# Altium PCB Module Board - OLD.PcbDoc (part 2 of 4) (continued)
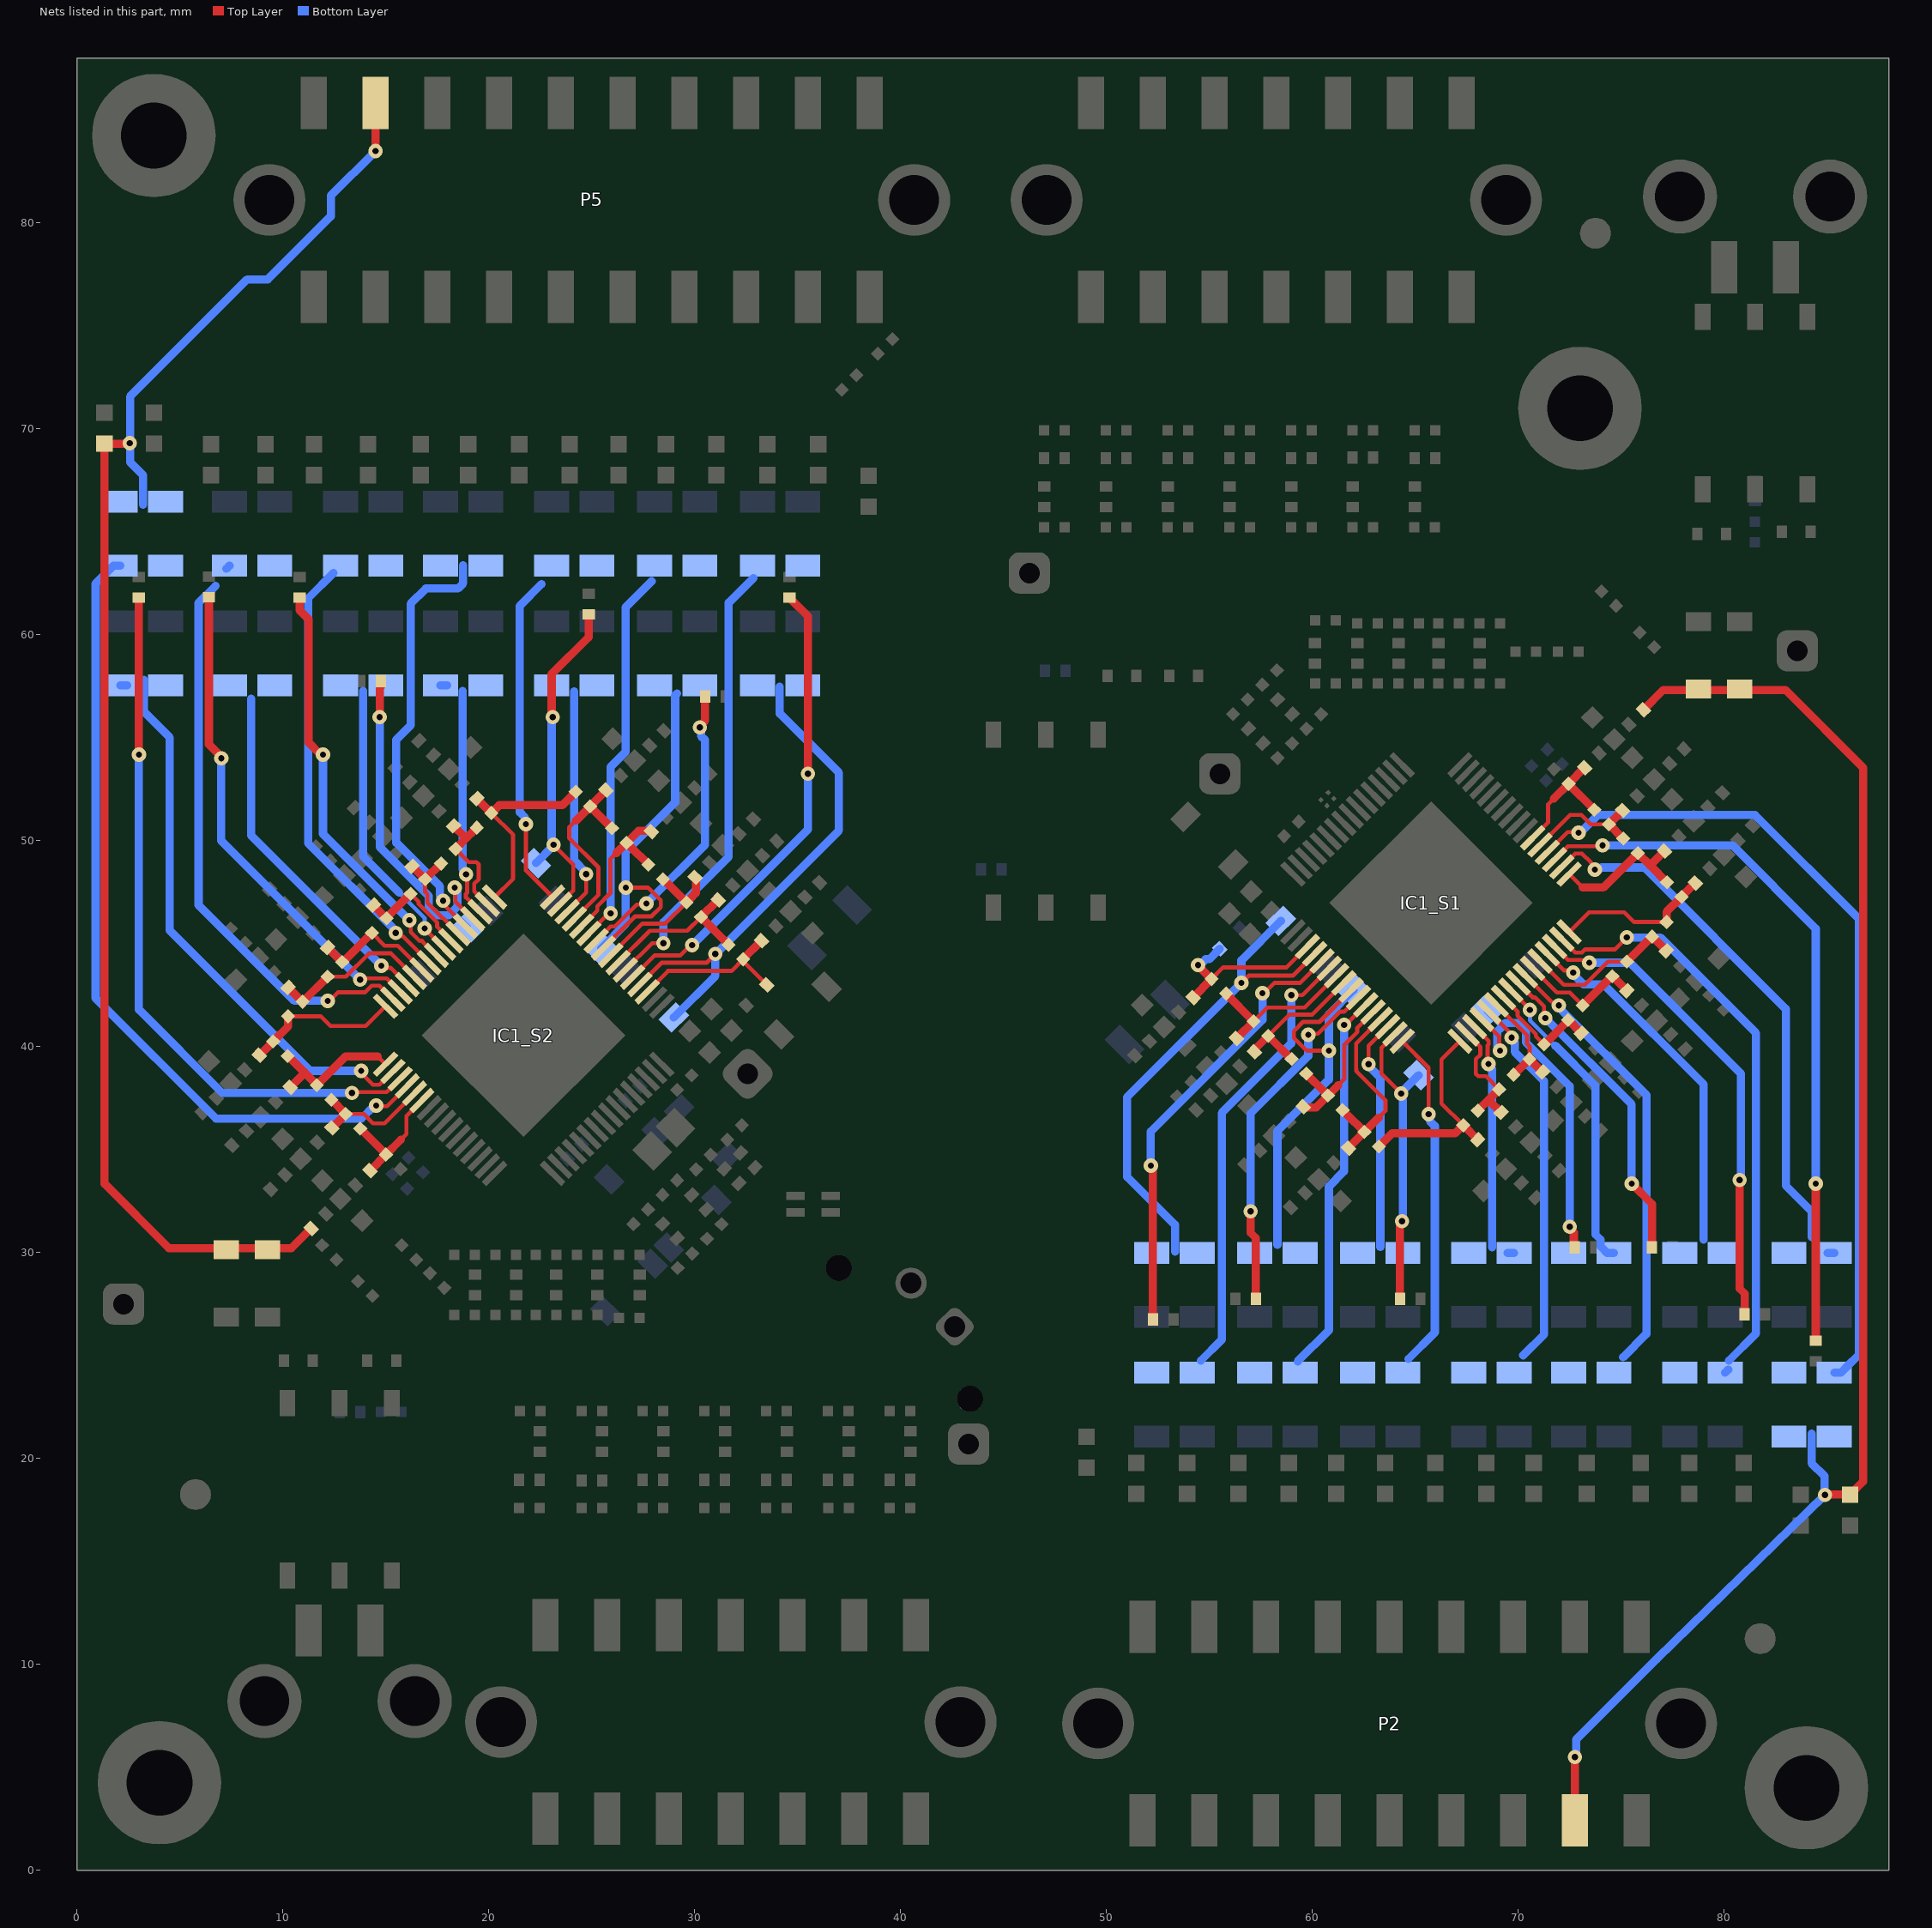
[diagram p4: the nets of this part, all layers, seen from the top]
## Part data (continued)
P7: library part CMP-1502-00440-2, Color=Black, Contact Resistance=10mΩ, Current Rating=5A, Insulation Resistance=1GΩ, Max Operating Temperature=105°C, Min Operating Temperature=-40°C, Operating Supply Voltage=250V, Connector Type="Male Pin, Socket", Contact Material=Copper, Contact Plating=Tin, Fastening Type=Ramp, Gender=Male, Height=10.1mm, Lead Pitch=3mm, Length=9.65mm, Mount="Through Hole", NexarPartId=23024676, Number of Contacts=2, Number of Pins=2, Number of Positions=2, Number of Rows=1, Orientation=Vertical, Pitch=3mm, REACH SVHC=Unknown, RoHS=Compliant, Termination="Kinked Pin", Voltage Rating=250V, Width=9.65mm
R1_S1 R1_S2 R2_S1 R2_S2 R3_S1 R3_S2 R5_S1 R5_S2 R6_S1 R6_S2 R7_S1 R7_S2 R8_S1 R8_S2 R9_S1 R9_S2 R11_S1 R11_S2 R13_S1 R13_S2 R14_S1 R14_S2 R15_S1 R15_S2 R16_S1 R16_S2 R17_S1 R17_S2 R19_S1 R19_S2 R20_S1 R20_S2 R22_S1 R22_S2 R23_S1 R23_S2 R24_S1 R24_S2 R25_S1 R25_S2 R27_S1 R27_S2 R28_S1 R28_S2 R30_S1 R30_S2 R31_S1 R31_S2 R32_S1 R32_S2 R33_S1 R33_S2 R35_S1 R35_S2 R36_S1 R36_S2 R37_S1 R37_S2 R38_S1 R38_S2 R40_S1 R40_S2 R41_S1 R41_S2 R42_S1 R42_S2 R44_S1 R44_S2 R46_S1 R46_S2 R47_S1 R47_S2 R48_S1 R48_S2 R49_S1 R49_S2 R50_S1 R50_S2 R52_S1 R52_S2 R53_S1 R53_S2 R55_S1 R55_S2 R56_S1 R56_S2 R57_S1 R57_S2 R58_S1 R58_S2 R59_S1 R59_S2 R60_S1 R60_S2 R62_S1 R62_S2 R63_S1 R63_S2 R64_S1 R64_S2 R65_S1 R65_S2 R66_S1 R66_S2 R67_S1 R67_S2 R68_S1 R68_S2 R69_S1 R69_S2 R70_S1 R70_S2 R71_S1 R71_S2 R72_S1 R72_S2 R74 R75 R76 R77 R78 R79 R94 R95: library part CMP-009-00204-16, "GTT Standard 0402 Resistor", Case/Package=0402, Power=62.5mW, Tolerance=1%, Voltage Rating=50V, Design Item ID="RES 0402", Mounting Technology=SMD, Source=Passives.SchLib
R4_S1 R4_S2 R10_S1 R10_S2 R12_S1 R12_S2 R18_S1 R18_S2 R21_S1 R21_S2 R26_S1 R26_S2 R29_S1 R29_S2 R34_S1 R34_S2 R39_S1 R39_S2 R43_S1 R43_S2 R45_S1 R45_S2 R51_S1 R51_S2 R54_S1 R54_S2 R61_S1 R61_S2 R73_S1 R73_S2 R80_S1 R80_S2 R81_S1 R81_S2 R82_S1 R82_S2 R83_S1 R83_S2 R84_S1 R84_S2 R85_S1 R85_S2 R86_S1 R86_S2 R87_S1 R87_S2 R88_S1 R88_S2 R89_S1 R89_S2 R90_S1 R90_S2 R91_S1 R91_S2 R92_S1 R92_S2 R93_S1 R93_S2: library part CMP-009-00208-2, "GTT Standard 1206 Resistor", Case/Package=1206, Power=250mW, Tolerance=1%, Voltage Rating=50V, Mounting Technology=SMD
T1 T2 T3: library part CMP-16309-000039-1, "XFMR CMC MODULE AECQ BATT MNGT", Inductance Primary=150uH, Isolation Voltage=4300VDC, Manufacturer=Pulse, Package=0, Temperature="-40°C to +125°C", Temperature Range High=+125°C, Temperature Range Low=-40°C, Automotive=Yes, Automotive Grade="Grade 1", Category=Trans, ComponentLink2Description=Datasheet, ComponentLink2URL=https://productfinder.pulseeng.com/product/HM2103NL, Device Class L1="Passive Components", Device Class L2=Transformers, Device Class L3=unset, Digikey Description="XFMR CMC MODULE AECQ BATT MNGT", Height=5.72mm, Insertion Loss=0.25dB, Lead Free=Yes, Manufacturer Part Number=HM2103NL, Obsolete Part=false, Octopart=https://octopart.com/hm2103nl-pulse-87646222, Return Loss=20dB, RoHS=TRUE, Standoff Height=0.13mm, Turns Ratio=1:1
TP1_S1 TP1_S2 TP2_S1 TP2_S2 TP3_S1 TP3_S2: library part CMP-00030-00001-6, Design Item ID=GTT_ProbeerPunt, Source=GTT_MainComponentLibrary.SchLib

## Free pads (board coordinates)
  round 6 hole 3.2: 5(3.725,84.25) 5(4,4.25) 5(73,71) 5(84,4)

## Via types
v1: diameter 0.7, hole 0.3, Top Layer to Bottom Layer, 603 vias

## Nets (pads, with @x,y where several pads share a name; then routed paths per layer and width w, separated by ;. In a path a pad name is that pad's centre, name@x,y a point inside that pad or via, vN(x,y) a via of type N, cw(c..) or ccw(c..) an arc to the next point about the centre after c; other vN are vias at no path point)
CB_1_S1: IC1_S1.36 R91_S1.2 R92_S1.2 | length 40.7
  Top Layer w0.2: IC1_S1.36@71.411,49.439 72.393,50.421 72.897,50.421 v1(72.926,50.392)
  Bottom Layer w0.4: v1(72.926,50.392) 73.007,50.392 73.865,51.25 81.5,51.25 86.55,46.2 86.55,25.041 86,24.491 85.675,24.166 R92_S1.2@85.35,24.166
CB_1_S2: IC1_S2.36 R91_S2.2 R92_S2.2 | length 39.9
  Top Layer w0.2: v1(14.524,37.133) 14.553,37.104 15.057,37.104 IC1_S2.36@16.039,38.086
  Bottom Layer w0.4: R92_S2.2@2.1,63.359 1.775,63.359 1.45,63.034 0.9,62.484 0.9,42.35 6.75,36.5 13.81,36.5 14.443,37.133 v1(14.524,37.133)
CB_2:1_C_S1: IC1_S1.35 R56_S1.1 | length 34.6
  Top Layer w0.2: IC1_S1.35@71.764,49.085 72.409,49.73 74.054,49.73 v1(74.1,49.775)
  Top Layer w0.4: R56_S1.1@84.45,25.725 v1(84.45,33.35)
  Bottom Layer w0.4: v1(74.1,49.775) 80.4,49.775 84.45,45.725 v1(84.45,33.35)
CB_2:1_C_S2: IC1_S2.35 R56_S2.1 | length 34.6
  Top Layer w0.2: v1(13.35,37.75) 13.396,37.796 15.041,37.796 IC1_S2.35@15.686,38.44
  Top Layer w0.4: v1(3,54.175) R56_S2.1@3,61.8
  Bottom Layer w0.4: v1(3,54.175) 3,41.8 7.05,37.75 v1(13.35,37.75)
CB_2_S1: IC1_S1.34 R89_S1.2 R90_S1.2 | length 26.4
  Top Layer w0.2: IC1_S1.34@72.118,48.731 72.766,49.38 73.088,49.38 73.537,48.931 73.537,48.923 73.725,48.735 v1(73.725,48.6)
  Bottom Layer w0.4: v1(73.725,48.6) 73.782,48.657 73.995,48.657 74.037,48.7 76.132,48.7 83,41.832 83,33.25 84.25,32 84.25,30.752 ; R90_S1.2@85.025,29.977 R90_S1.2@85.35,29.977
CB_2_S2: IC1_S2.34 R89_S2.2 R90_S2.2 | length 27.3
  Top Layer w0.2: v1(13.8,38.825) 13.8,38.707 14.362,38.146 14.684,38.146 IC1_S2.34@15.332,38.794
  Bottom Layer w0.4: R90_S2.2@2.1,57.548 R90_S2.2@2.425,57.548 ; 3.25,57.814 3.25,56.255 4.5,55.005 4.5,45.643 11.318,38.825 v1(13.8,38.825)
CB_3_S1: IC1_S1.31 R87_S1.2 R88_S1.2 | length 28.6
  Top Layer w0.2: IC1_S1.31@72.118,45.213 72.769,44.562 73.09,44.562 73.253,44.725 74.7,44.725 v1(75.275,45.3)
  Bottom Layer w0.4: v1(75.275,45.3) 76.9,45.3 81.55,40.65 81.55,26.069 80.231,24.75 ; R88_S1.2@80.05,24.166 R88_S1.2@80.2,24.316
CB_3_S2: IC1_S2.31 R87_S2.2 R88_S2.2 | length 28
  Top Layer w0.2: v1(12.175,42.225) 12.261,42.225 12.677,42.642 13.99,42.642 14.312,42.963 14.681,42.963 IC1_S2.31@15.332,42.312
  Bottom Layer w0.4: 6.728,62.378 5.9,61.55 5.9,46.875 10.55,42.225 v1(12.175,42.225) ; R88_S2.2@7.25,63.209 R88_S2.2@7.4,63.359
CB_4:3_C_S1: IC1_S1.30 R48_S1.1 | length 23.4
  Top Layer w0.2: IC1_S1.30@71.764,44.859 72.411,44.212 73.084,44.212 73.126,44.17 73.355,44.17 v1(73.451,44.074)
  Top Layer w0.4: v1(80.751,33.525) 80.751,28.249 81,28 R48_S1.1@81,27
  Bottom Layer w0.4: v1(73.451,44.074) 75.426,44.074 80.808,38.692 80.808,33.582 v1(80.751,33.525)
CB_4:3_C_S2: IC1_S2.30 R48_S2.1 | length 23.8
  Top Layer w0.2: v1(13.75,43.25) 13.813,43.313 15.038,43.313 IC1_S2.30@15.686,42.666
  Top Layer w0.4: R48_S2.1@6.4,61.825 6.4,54.681 7,54.081 v1(7,54)
  Bottom Layer w0.4: v1(7,54) 7,50 v1(13.75,43.25)
CB_4_S1: IC1_S1.29 R85_S1.2 R86_S1.2 | length 17.8
  Top Layer w0.2: IC1_S1.29@71.411,44.506 72.221,43.695 72.438,43.695 72.521,43.612 v1@72.672,43.612
  Bottom Layer w0.4: v1(72.671,43.598) 72.671,43.516 73.17,43.017 74.158,43.017 79,38.175 79,30.625
CB_4_S2: IC1_S2.29 R85_S2.2 R86_S2.2 | length 17.2
  Top Layer w0.2: v1@14.778,43.913 14.929,43.913 15.012,43.83 15.228,43.83 IC1_S2.29@16.039,43.019
  Bottom Layer w0.4: 8.45,56.9 8.45,50.257 v1(14.779,43.927)
CB_5_S1: IC1_S1.26 R83_S1.2 R84_S1.2 | length 21.5
  Top Layer w0.2: IC1_S1.26@70.35,43.445 71.625,42.17 71.67,42.17 71.84,42 v1(71.975,42)
  Bottom Layer w0.4: v1(71.975,42) 71.975,41.919 72.125,41.769 72.125,41.749 76.225,37.649 76.225,26.053 75.086,24.914
CB_5_S2: IC1_S2.26 R83_S2.2 R84_S2.2 | length 22
  Top Layer w0.2: v1(15.475,45.525) 15.61,45.525 15.78,45.355 15.825,45.355 IC1_S2.26@17.1,44.08
  Bottom Layer w0.4: R84_S2.2@12.459,63.009 11.225,61.775 11.225,49.876 15.325,45.776 15.325,45.756 15.475,45.606 v1(15.475,45.525)
CB_6:5_C_S1: IC1_S1.25 R40_S1.1 | length 15.6
  Top Layer w0.2: IC1_S1.25@69.996,43.092 70.699,42.389 70.811,42.389 71.247,41.954 71.247,41.452 v1(71.312,41.387)
  Top Layer w0.4: v1(75.506,33.35) 76.5,32.356 R40_S1.1@76.5,30.25
  Bottom Layer w0.4: v1(71.312,41.387) 75.506,37.192 v1(75.506,33.35)
CB_6:5_C_S2: IC1_S2.25 R40_S2.1 | length 20.3
  Top Layer w0.2: v1(16.138,46.138) 16.203,46.073 16.203,45.571 16.639,45.136 16.751,45.136 IC1_S2.25@17.454,44.433
  Top Layer w0.4: R40_S2.1@10.8,61.8 10.8,61.2 11.25,60.75 11.25,54.762 11.78,54.232 11.886,54.232 v1(11.944,54.175)
  Bottom Layer w0.4: v1(11.944,54.175) 11.944,50.333 v1(16.138,46.138)
CB_6_S1: IC1_S1.24 R81_S1.2 R82_S1.2 | length 15
  Top Layer w0.2: IC1_S1.24@69.643,42.738 70.563,41.818 v1(70.563,41.789)
  Bottom Layer w0.2: v1(70.563,41.789) 70.572,41.78 70.572,41.278 71.8,40.05
  Bottom Layer w0.4: 71.8,40.05 73.75,38.1 73.75,30.877 74,30.627 74,30.302 74.325,29.977 R82_S1.2@74.65,29.977
CB_6_S2: IC1_S2.24 R81_S2.2 R82_S2.2 | length 14.1
  Top Layer w0.2: v1(16.887,45.736) 16.887,45.707 IC1_S2.24@17.807,44.787
  Bottom Layer w0.2: 15.65,47.475 16.878,46.247 16.878,45.745 v1(16.887,45.736)
  Bottom Layer w0.4: 13.9,57.275 13.9,49.225 15.65,47.475
CB_7_S1: IC1_S1.21 R73_S1.2 R80_S1.2 | length 17.9
  Top Layer w0.2: IC1_S1.21@68.582,41.677 68.598,41.677 v1@69.581,40.694
  Bottom Layer w0.4: v1(69.677,40.441) 69.677,40.36 69.827,40.21 69.827,39.748 71.25,38.325 71.25,26.019 70.241,25.009
CB_7_S2: IC1_S2.21 R73_S2.2 R80_S2.2 | length 20.9
  Top Layer w0.2: v1@17.869,46.831 18.852,45.848 IC1_S2.21@18.868,45.848
  Bottom Layer w0.4: v1(17.773,47.084) 17.773,47.165 17.623,47.315 17.623,47.777 15.5,49.9 15.5,54.9 16.2,55.6 16.2,61.507 16.943,62.25 18.5,62.25 18.75,62.5 18.75,63.38
CB_8:7_C_S1: D4_S1.2 IC1_S1.20 R32_S1.1 | length 17.3
  Top Layer w0.2: IC1_S1.20@68.229,41.324 69.077,40.476 69.077,39.841 v1(69.11,39.807)
  Top Layer w0.4: v1(72.5,31.25) 72.5,31.169 72.7,30.969 72.7,30.35 72.75,30.3 R32_S1.1@72.75,30.25
  Bottom Layer w0.2: D4_S1.2@68.419,41.719 69.182,40.956 69.182,40.936
  Bottom Layer w0.4: v1(69.11,39.807) v1@69.208,39.905 ; v1@69.216,39.913 v1@69.208,39.905 ; v1(72.5,31.25) 72.5,38.079 70.377,40.203 70.377,40.731 69.967,41.141 69.387,41.141 69.182,40.936 68.977,40.731 68.977,40.022 69.094,39.905 v1@69.208,39.905
CB_8:7_C_S2: D4_S2.2 IC1_S2.20 R32_S2.1 | length 17.8
  Top Layer w0.2: v1(18.34,47.718) 18.373,47.684 18.373,47.049 IC1_S2.20@19.221,46.201
  Top Layer w0.4: v1(14.7,56) 14.7,57.4 14.75,57.45 R32_S2.1@14.75,57.75
  Bottom Layer w0.2: 18.268,46.589 18.268,46.569 D4_S2.2@19.031,45.806
  Bottom Layer w0.4: v1(14.7,56) 14.7,49.696 17.073,47.322 17.073,46.794 17.483,46.384 18.063,46.384 18.268,46.589 18.473,46.794 18.473,47.503 18.356,47.62 v1@18.242,47.62 ; v1@18.234,47.612 v1@18.242,47.62 ; v1(18.34,47.718) v1@18.242,47.62
CB_8_S1: IC1_S1.19 R54_S1.2 R61_S1.2 | length 11.4
  Top Layer w0.2: IC1_S1.19@67.875,40.97 68.566,40.279 68.566,40.112 68.51,40.056 68.51,39.209 v1(68.558,39.161)
  Bottom Layer w0.4: v1(68.558,39.161) 68.558,39.08 68.725,38.913 68.725,30.25 ; R61_S1.2@69.475,29.977 R61_S1.2@69.8,29.977
CB_8_S2: IC1_S2.19 R54_S2.2 R61_S2.2 | length 11.4
  Top Layer w0.2: v1(18.892,48.364) 18.94,48.316 18.94,47.469 18.884,47.413 18.884,47.246 IC1_S2.19@19.575,46.555
  Bottom Layer w0.4: R61_S2.2@17.65,57.548 R61_S2.2@17.975,57.548 ; 18.725,57.275 18.725,48.612 18.892,48.445 v1(18.892,48.364)
CB_9_S1: IC1_S1.16 R45_S1.2 R51_S1.2 | length 16.6
  Top Layer w0.2: IC1_S1.16@64.356,40.263 65.649,38.97 65.649,36.992 65.646,36.988 v1(65.646,36.721)
  Bottom Layer w0.4: 64.666,24.834 65.95,26.119 65.95,36.144 65.703,36.391 65.703,36.663 v1(65.646,36.721)
CB_9_S2: IC1_S2.16 R45_S2.2 R51_S2.2 | length 16.3
  Top Layer w0.2: v1(21.804,50.804) 21.804,50.537 21.801,50.533 21.801,48.555 IC1_S2.16@23.093,47.262
  Bottom Layer w0.4: v1(21.804,50.804) 21.747,50.862 21.747,51.134 21.5,51.381 21.5,61.407 22.554,62.46
CB_10:9_C_S1: D5_S1.2 IC1_S1.15 R23_S1.1 | length 14.9
  Top Layer w0.2: IC1_S1.15@64.003,40.6 63.35,39.947 63.35,38.685 v1(64.31,37.725)
  Top Layer w0.4: R23_S1.1@64.25,27.75 64.25,31.344 64.35,31.444 v1(64.35,31.525)
  Bottom Layer w0.4: v1(64.35,31.525) 64.4,31.575 64.4,37.423 64.367,37.455 64.367,37.668 v1(64.31,37.725) 64.31,37.76 D5_S1.2@65.163,38.613
CB_10:9_C_S2: D5_S2.2 IC1_S2.15 R23_S2.1 | length 16.8
  Top Layer w0.2: v1(23.14,49.8) 24.1,48.84 24.1,47.578 IC1_S2.15@23.447,46.925
  Top Layer w0.4: v1(23.1,56) 23.05,56.05 23.05,58.09 24.85,59.89 R23_S2.1@24.85,61
  Bottom Layer w0.4: D5_S2.2@22.287,48.912 23.14,49.765 v1(23.14,49.8) 23.083,49.857 23.083,50.07 23.05,50.102 23.05,55.95 v1(23.1,56)
CB_10_S1: IC1_S1.14 R39_S1.2 R43_S1.2 | length 11.3
  Top Layer w0.2: v1(62.725,39.15) 62.725,40.046 IC1_S1.14@63.649,40.97
  Bottom Layer w0.4: v1(62.725,39.15) 62.725,39.069 63.3,38.494 63.3,30.275
CB_10_S2: IC1_S2.14 R39_S2.2 R43_S2.2 | length 11.3
  Top Layer w0.2: IC1_S2.14@23.801,46.555 24.725,47.479 v1(24.725,48.375)
  Bottom Layer w0.4: 24.15,57.25 24.15,49.031 24.725,48.456 v1(24.725,48.375)
CB_11_S1: IC1_S1.11 R29_S1.2 R34_S1.2 | length 18.7
  Top Layer w0.2: v1(61.54,41.052) 61.61,41.052 IC1_S1.11@62.589,42.031
  Bottom Layer w0.4: 59.287,24.713 60.8,26.225 60.8,33.207 61.54,33.947 v1(61.54,41.052)
CB_11_S2: IC1_S2.11 R29_S2.2 R34_S2.2 | length 18.4
  Top Layer w0.2: IC1_S2.11@24.861,45.494 25.84,46.473 v1(25.91,46.473)
  Bottom Layer w0.4: v1(25.91,46.473) 25.91,53.578 26.65,54.318 26.65,61.341 27.904,62.596
CB_12:11_C_S1: IC1_S1.10 R15_S1.1 | length 17.3
  Top Layer w0.2: v1(59.8,40.575) 59.853,40.628 60.266,40.628 60.981,41.342 61.333,41.694 61.545,41.694 IC1_S1.10@62.235,42.385
  Top Layer w0.4: v1(57,32) 57,30.959 57.25,30.709 R15_S1.1@57.25,27.75
  Bottom Layer w0.4: v1(57,32) 57,36.75 59.8,39.55 v1(59.8,40.575)
CB_12:11_C_S2: IC1_S2.10 R15_S2.1 | length 14.6
  Top Layer w0.2: IC1_S2.10@25.215,45.141 25.905,45.831 26.117,45.831 26.469,46.183 27.184,46.897 27.597,46.897 v1(27.65,46.95)
  Top Layer w0.4: v1(30.25,55.5) 30.25,55.581 30.5,55.831 30.5,56.9 R15_S2.1@30.5,57
  Bottom Layer w0.4: v1@27.665,46.965 30.5,49.8 30.5,54.89 30.307,55.083 30.307,55.443 v1(30.25,55.5)
CB_12_S1: D1_S1.2 IC1_S1.9 R21_S1.2 R26_S1.2 | length 19.8
  Top Layer w0.2: v1(60.8,39.8) 59.726,39.8 59.1,40.427 59.1,40.75 59.55,41.2 60.344,41.2 IC1_S1.9@61.882,42.738
  Bottom Layer w0.4: 58.3,30.375 58.3,35.902 60.8,38.402 v1(60.8,39.8) 60.8,41.562 D1_S1.2@61.994,42.756
CB_12_S2: D1_S2.2 IC1_S2.9 R21_S2.2 R26_S2.2 | length 19.8
  Top Layer w0.2: IC1_S2.9@25.568,44.787 27.106,46.325 27.9,46.325 28.35,46.775 28.35,47.099 27.724,47.725 v1(26.65,47.725)
  Bottom Layer w0.4: D1_S2.2@25.456,44.769 26.65,45.963 v1(26.65,47.725) 26.65,49.469 29.05,51.869 29.05,57.05 29.15,57.15
CB_13_S1: IC1_S1.6 R12_S1.2 R18_S1.2 | length 22
  Top Layer w0.2: v1(58.975,42.5) 59.522,42.5 IC1_S1.6@60.821,43.799
  Bottom Layer w0.4: 54.581,24.75 55.6,25.769 55.6,36.775 58.975,40.15 v1(58.975,42.5)
CB_13_S2: IC1_S2.6 R12_S2.2 R18_S2.2 | length 21.9
  Top Layer w0.2: IC1_S2.6@26.629,43.726 27.928,45.025 v1(28.475,45.025)
  Bottom Layer w0.4: v1(28.475,45.025) 28.475,46.039 31.65,49.214 31.65,61.557 32.843,62.75
CB_14:13_C_S1: IC1_S1.5 R7_S1.1 | length 21.7
  Top Layer w0.2: v1(57.575,42.6) 57.667,42.6 58.167,43.1 59.415,43.1 IC1_S1.5@60.467,44.152
  Top Layer w0.4: v1(52.15,34.225) 52.15,34.144 52.25,34.044 R7_S1.1@52.25,26.75
  Bottom Layer w0.4: v1(52.15,34.225) 52.15,35.875 57.575,41.3 v1(57.575,42.6)
CB_14:13_C_S2: IC1_S2.5 R7_S2.1 | length 23.1
  Top Layer w0.2: IC1_S2.5@26.983,43.373 28.035,44.425 29.283,44.425 29.783,44.925 v1(29.875,44.925)
  Top Layer w0.4: R7_S2.1@34.6,61.8 34.65,61.8 34.7,61.75 34.7,61.7 35.5,60.9 v1(35.5,53.25)
  Bottom Layer w0.4: v1(29.875,44.925) 35.5,50.55 v1(35.5,53.25)
CB_14_S1: D6_S1.2 IC1_S1.4 R4_S1.2 R10_S1.2 | length 24.3
  Top Layer w0.2: v1(56.55,43.1) 56.567,43.1 56.917,43.45 59.058,43.45 IC1_S1.4@60.114,44.506
  Bottom Layer w0.4: 53.325,30.046 53.325,31.35 51,33.675 51,37.55 v1(56.55,43.1) 56.55,44.187 D6_S1.2@58.469,46.106
CB_14_S2: D6_S2.2 IC1_S2.4 R4_S2.2 R10_S2.2 | length 24.9
  Top Layer w0.2: IC1_S2.4@27.336,43.019 28.392,44.075 30.575,44.075 v1(31,44.5)
  Bottom Layer w0.4: D6_S2.2@28.981,41.419 31,43.438 v1(31,44.5) 37,50.5 37,53.3 34.125,56.175 34.125,57.479
CELL_REF_S1: C76_S1.2 D7_S1.2 D8_S1.1 P2.2 R71_S1.2 R91_S1.1 R92_S1.1 | length 72.6
  Top Layer w0.4: P2.2@72.75,3.43 v1(72.75,5.5) ; R71_S1.2@76.079,56.354 77.04,57.315 79.69,57.315 80.75,57.315 82.985,57.315 86.75,53.55 86.75,18.875 C76_S1.2@86.118,18.243 84.912,18.243 v1(84.894,18.225)
  Bottom Layer w0.4: v1(72.75,5.5) 72.807,5.557 72.807,6.342 76.716,10.251 76.72,10.255 v1(84.894,18.225) ; 84.25,21.213 84.25,19.767 84.879,19.138 v1@84.879,18.225
CELL_REF_S2: C76_S2.2 D7_S2.2 D8_S2.1 P5.2 R71_S2.2 R91_S2.1 R92_S2.1 | length 74.2
  Top Layer w0.4: v1(2.556,69.3) 2.538,69.282 C76_S2.2@1.332,69.282 1.332,33.343 4.465,30.21 7.76,30.21 10.41,30.21 R71_S2.2@11.371,31.171 ; v1(14.5,83.5) 14.5,84.55 P5.2@14.5,85.82
  Bottom Layer w0.4: 3.2,66.312 3.2,67.758 2.571,68.387 2.571,71.571 8.259,77.259 9.259,77.259 12.326,80.326 12.326,81.326 v1(14.5,83.5)
CT_1_S1: C69_S1.1 C75_S1.2 IC1_S1.37 R70_S1.1 | length 6.1
  Top Layer w0.2: IC1_S1.37@71.057,49.792 72.515,51.25 73.072,51.25 73.526,50.797 C75_S1.2@74.404,50.797
  Top Layer w0.4: R70_S1.1@75.071,51.471 75.071,51.464 C75_S1.2@74.404,50.797 C69_S1.1@75.097,50.104
CT_1_S2: C69_S2.1 C75_S2.2 IC1_S2.37 R70_S2.1 | length 6.1
  Top Layer w0.2: C75_S2.2@13.046,36.729 13.924,36.729 14.378,36.275 14.935,36.275 IC1_S2.37@16.393,37.733
  Top Layer w0.4: C69_S2.1@12.353,37.421 C75_S2.2@13.046,36.729 12.379,36.061 R70_S2.1@12.379,36.054
CT_2_S1: C65_S1.1 C69_S1.2 IC1_S1.33 R66_S1.1 | length 7.2
  Top Layer w0.2: IC1_S1.33@72.471,48.378 73.124,47.725
  Top Layer w0.4: 73.124,47.725 74.132,47.725 C69_S1.2@75.797,49.389 ; C69_S1.2@75.804,49.397 76.4,48.8 ; 76.421,48.779 C65_S1.1@77.222,47.979 ; 76.421,48.821 R66_S1.1@77.096,49.496
CT_2_S2: C65_S2.1 C69_S2.2 IC1_S2.33 R66_S2.1 | length 7.1
  Top Layer w0.2: 14.601,39.525 IC1_S2.33@14.979,39.147
  Top Layer w0.4: C65_S2.1@10.243,39.546 11.029,38.76 ; R66_S2.1@10.354,38.029 11.029,38.704 11.029,38.76 ; 14.601,39.525 13.043,39.525 11.653,38.136 11.029,38.76
CT_3_S1: C59_S1.1 C65_S1.2 IC1_S1.32 R63_S1.1 | length 7.7
  Top Layer w0.2: IC1_S1.32@72.471,45.566 73.43,46.525 75.15,46.525 75.625,46.05 C59_S1.1@77.203,46.05
  Top Layer w0.4: C59_S1.1@77.203,46.05 77.204,46.546 C65_S1.2@77.879,47.222 ; C65_S1.2@77.929,47.279 R63_S1.1@78.596,47.946
CT_3_S2: C59_S2.1 C65_S2.2 IC1_S2.32 R63_S2.1 | length 7.7
  Top Layer w0.2: C59_S2.1@10.246,41.475 11.825,41.475 12.3,41 14.02,41 IC1_S2.32@14.979,41.959
  Top Layer w0.4: R63_S2.1@8.854,39.579 C65_S2.2@9.521,40.246 ; C65_S2.2@9.571,40.304 10.246,40.979 C59_S2.1@10.246,41.475
CT_4_S1: C55_S1.1 C59_S1.2 IC1_S1.28 R58_S1.1 | length 7.9
  Top Layer w0.2: IC1_S1.28@71.057,44.152 72.212,42.998 73.223,42.998 74.353,44.128 C55_S1.1@75.279,44.128
  Top Layer w0.4: C55_S1.1@75.282,44.132 C59_S1.2@76.495,45.345 ; C59_S1.2@76.507,45.343 R58_S1.1@77.196,44.654
CT_4_S2: C55_S2.1 C59_S2.2 IC1_S2.28 R58_S2.1 | length 7.9
  Top Layer w0.2: C55_S2.1@12.171,43.397 13.048,43.397 14.179,44.527 15.238,44.527 IC1_S2.28@16.393,43.373
  Top Layer w0.4: R58_S2.1@10.254,42.871 C59_S2.2@10.943,42.182 ; C59_S2.2@10.955,42.18 C55_S2.1@12.168,43.393
CT_5_S1: C49_S1.1 C55_S1.2 IC1_S1.27 R53_S1.1 | length 6.2
  Top Layer w0.2: IC1_S1.27@70.703,43.799 71.877,42.625 72.507,42.625 C49_S1.1@73.129,42.003
  Top Layer w0.4: C49_S1.1@73.129,42.003 C55_S1.2@74.546,43.421 ; C55_S1.2@74.571,43.421 R53_S1.1@75.279,42.714
CT_5_S2: C49_S2.1 C55_S2.2 IC1_S2.27 R53_S2.1 | length 6.2
  Top Layer w0.2: C49_S2.1@14.321,45.522 14.943,44.9 15.573,44.9 IC1_S2.27@16.746,43.726
  Top Layer w0.4: R53_S2.1@12.171,44.811 C55_S2.2@12.879,44.104 ; C55_S2.2@12.904,44.104 C49_S2.1@14.321,45.522
CT_6_S1: C45_S1.1 C49_S1.2 IC1_S1.23 R47_S1.1 | length 5.6
  Top Layer w0.2: IC1_S1.23@69.289,42.384 69.963,41.711 69.963,41.499 70.857,40.604 70.857,40.5 C45_S1.1@71.254,40.103
  Top Layer w0.4: C45_S1.1@71.254,40.103 C49_S1.2@72.421,41.271 ; C49_S1.2@72.421,41.296 R47_S1.1@73.059,40.658
CT_6_S2: C45_S2.1 C49_S2.2 IC1_S2.23 R47_S2.1 | length 5.6
  Top Layer w0.2: C45_S2.1@16.196,47.422 16.593,47.025 16.593,46.921 17.487,46.026 17.487,45.814 IC1_S2.23@18.161,45.141
  Top Layer w0.4: R47_S2.1@14.391,46.867 C49_S2.2@15.029,46.229 ; C49_S2.2@15.029,46.254 C45_S2.1@16.196,47.422
CT_7_S1: C39_S1.1 C45_S1.2 IC1_S1.22 R42_S1.1 | length 5.3
  Top Layer w0.2: IC1_S1.22@68.936,42.031 70.429,40.537 70.429,40.125 70.546,40.008 C45_S1.2@70.546,39.396
  Top Layer w0.4: C39_S1.1@69.783,38.633 C45_S1.2@70.546,39.396 C45_S1.2@70.723,39.22 ; 70.723,39.22 R42_S1.1@71.179,38.764
CT_7_S2: C39_S2.1 C45_S2.2 IC1_S2.22 R42_S2.1 | length 5.3
  Top Layer w0.2: C45_S2.2@16.904,48.129 16.904,47.517 17.021,47.4 17.021,46.988 IC1_S2.22@18.514,45.494
  Top Layer w0.4: R42_S2.1@16.271,48.761 16.727,48.305 C45_S2.2@16.904,48.129 ; C45_S2.2@16.911,48.129 C39_S2.1@17.675,48.892
CT_8_S1: C35_S1.1 C39_S1.2 IC1_S1.18 R36_S1.1 | length 6.2
  Top Layer w0.2: IC1_S1.18@67.521,40.617 68.16,39.978 68.16,39.612 67.939,39.39 67.939,38.679 68.056,38.561 68.432,38.561 C39_S1.2@69.068,37.925 ; R36_S1.1@69.121,36.804 R36_S1.1@69.171,36.804
  Top Layer w0.4: C35_S1.1@68.032,36.89 68.209,37.067 68.496,37.354 ; C39_S1.2@69.068,37.925 68.496,37.354 ; R36_S1.1@69.171,36.804 68.621,37.354 68.496,37.354
CT_8_S2: C35_S2.1 C39_S2.2 IC1_S2.18 R36_S2.1 | length 6.2
  Top Layer w0.2: R36_S2.1@18.279,50.721 R36_S2.1@18.329,50.721 ; C39_S2.2@18.382,49.6 19.018,48.964 19.394,48.964 19.511,48.846 19.511,48.135 19.29,47.913 19.29,47.547 IC1_S2.18@19.928,46.908
  Top Layer w0.4: R36_S2.1@18.279,50.721 18.829,50.171 18.954,50.171 ; C39_S2.2@18.382,49.6 18.954,50.171 ; C35_S2.1@19.418,50.635 19.241,50.458 18.954,50.171
CT_9_S1: C29_S1.1 C35_S1.2 IC1_S1.17 R31_S1.1 | length 10.4
  Top Layer w0.2: IC1_S1.17@67.168,40.263 66.275,39.37 66.275,37.233 C35_S1.2@67.325,36.183 C35_S1.2@67.502,36.006
  Top Layer w0.4: C29_S1.1@63.234,35.151 63.882,35.8 66.942,35.8 C35_S1.2@67.325,36.183 ; C35_S1.2@67.502,36.006 67.855,35.653 R31_S1.1@68.032,35.476
CT_9_S2: C29_S2.1 C35_S2.2 IC1_S2.17 R31_S2.1 | length 10.4
  Top Layer w0.2: 19.948,51.519 C35_S2.2@20.125,51.342 21.175,50.292 21.175,48.155 IC1_S2.17@20.282,47.262
  Top Layer w0.4: R31_S2.1@19.418,52.049 19.594,51.872 ; 19.595,51.872 19.948,51.519 ; C35_S2.2@20.125,51.342 20.508,51.725 23.568,51.725 C29_S2.1@24.216,52.374
CT_10_S1: C25_S1.1 C29_S1.2 IC1_S1.13 R25_S1.1 | length 9.6
  Top Layer w0.2: 63.218,36.55 63.55,36.882 63.55,37.4 62.131,38.819 62.131,38.896 62.125,38.901 62.125,40.153 IC1_S1.13@63.296,41.324
  Top Layer w0.4: C25_S1.1@61.466,36.919 61.643,36.742 C29_S1.2@62.527,35.858 ; R25_S1.1@61.758,35.09 C29_S1.2@62.527,35.858 ; 63.218,36.55 C29_S1.2@62.527,35.858
CT_10_S2: C25_S2.1 C29_S2.2 IC1_S2.13 R25_S2.1 | length 9.6
  Top Layer w0.2: IC1_S2.13@24.154,46.201 25.325,47.372 25.325,48.624 25.319,48.629 25.319,48.706 23.9,50.125 23.9,50.643 24.232,50.975
  Top Layer w0.4: 24.232,50.975 C29_S2.2@24.923,51.667 25.807,50.783 C25_S2.1@25.984,50.606 ; C29_S2.2@24.923,51.687 R25_S2.1@25.692,52.456
CT_11_S1: C16_S1.1 C25_S1.2 IC1_S1.12 R20_S1.1 | length 7.9
  Top Layer w0.2: 61.25,38.117 61.55,38.417 61.55,40.075 62.181,40.706 62.181,40.916 IC1_S1.12@62.942,41.677
  Top Layer w0.4: R20_S1.1@59.554,37.079 59.589,37.043 60.176,37.043 C25_S1.2@60.759,37.626 ; C16_S1.1@59.698,38.687 60.582,37.803 C25_S1.2@60.759,37.626 ; 61.25,38.117 C25_S1.2@60.759,37.626
CT_11_S2: C16_S2.1 C25_S2.2 IC1_S2.12 R20_S2.1 | length 7.9
  Top Layer w0.2: IC1_S2.12@24.508,45.848 25.269,46.609 25.269,46.819 25.9,47.45 25.9,49.108 26.2,49.408
  Top Layer w0.4: 26.2,49.408 C25_S2.2@26.691,49.899 ; C16_S2.1@27.752,48.838 26.868,49.722 C25_S2.2@26.691,49.899 ; R20_S2.1@27.896,50.446 27.861,50.482 27.274,50.482 C25_S2.2@26.691,49.899
CT_12_S1: C10_S1.1 C16_S1.2 IC1_S1.8 R14_S1.1 | length 7.4
  Top Layer w0.2: C10_S1.1@57.853,40.521 58.882,41.55 59.986,41.55 IC1_S1.8@61.528,43.092
  Top Layer w0.4: R14_S1.1@57.182,39.747 57.166,39.763 57.166,39.834 C10_S1.1@57.853,40.521 C16_S1.2@58.981,39.394
CT_12_S2: C10_S2.1 C16_S2.2 IC1_S2.8 R14_S2.1 | length 7.8
  Top Layer w0.2: IC1_S2.8@25.922,44.433 27.463,45.975 28.568,45.975 C10_S2.1@29.597,47.004
  Top Layer w0.4: C16_S2.2@28.469,48.131 C10_S2.1@29.597,47.004 29.773,47.18 30.057,47.464 30.057,48.186 R14_S2.1@30.021,48.221
CT_13_S1: C4_S1.1 C10_S1.2 IC1_S1.7 R9_S1.1 | length 8
  Top Layer w0.2: C10_S1.2@57.146,41.229 57.818,41.9 58.737,41.9 59.629,41.9 IC1_S1.7@61.175,43.445
  Top Layer w0.4: C4_S1.1@55.809,42.566 C10_S1.2@57.146,41.229 56.341,40.423 R9_S1.1@56.341,40.38
CT_13_S2: C4_S2.1 C10_S2.2 IC1_S2.7 R9_S2.1 | length 8
  Top Layer w0.2: IC1_S2.7@26.275,44.08 27.821,45.625 28.35,45.625 29.632,45.625 C10_S2.2@30.304,46.297
  Top Layer w0.4: R9_S2.1@31.109,47.145 31.109,47.102 C10_S2.2@30.304,46.297 C4_S2.1@31.641,44.959
CT_14_S1: C4_S1.2 D3_S1.1 IC1_S1.3 R3_S1.1 | length 8.9
  Top Layer w0.2: C4_S1.2@55.102,43.283 55.669,43.85 58.751,43.85 IC1_S1.3@59.76,44.859
  Top Layer w0.4: R3_S1.1@54.211,42.392 C4_S1.2@55.102,43.283 54.45,43.935 v1(54.45,43.96)
  Bottom Layer w0.4: v1(54.45,43.96) 54.531,43.96 54.821,44.25 55,44.25 D3_S1.1@55.505,44.755
CT_14_S2: C4_S2.2 D3_S2.1 IC1_S2.3 R3_S2.1 | length 8.3
  Top Layer w0.2: IC1_S2.3@27.69,42.666 28.699,43.675 31.781,43.675 C4_S2.2@32.348,44.242 32.348,44.142 D3_S2.1@33.495,42.995
  Top Layer w0.4: C4_S2.2@32.348,44.251 R3_S2.1@33.239,45.141
CT_REF_S1: C75_S1.1 C95_S1.2 IC1_S1.38 R72_S1.1 | length 6.2
  Top Layer w0.2: IC1_S1.38@70.703,50.146 71.45,50.892 71.45,51.77 71.725,52.045
  Top Layer w0.4: 71.725,52.045 C95_S1.2@72.447,52.767 ; C95_S1.2@72.447,52.772 R72_S1.1@73.221,53.546 ; C95_S1.2@72.475,52.725 C75_S1.1@73.697,51.504
CT_REF_S2: C75_S2.1 C95_S2.2 IC1_S2.38 R72_S2.1 | length 6.2
  Top Layer w0.2: 15.725,35.48 16,35.755 16,36.633 IC1_S2.38@16.746,37.379
  Top Layer w0.4: C75_S2.1@13.753,36.021 C95_S2.2@14.975,34.8 ; R72_S2.1@14.229,33.979 C95_S2.2@15.003,34.753 ; C95_S2.2@15.003,34.758 15.725,35.48